# Altium PCB top_INA2180.PcbDoc (part 1 of 5) (continued)
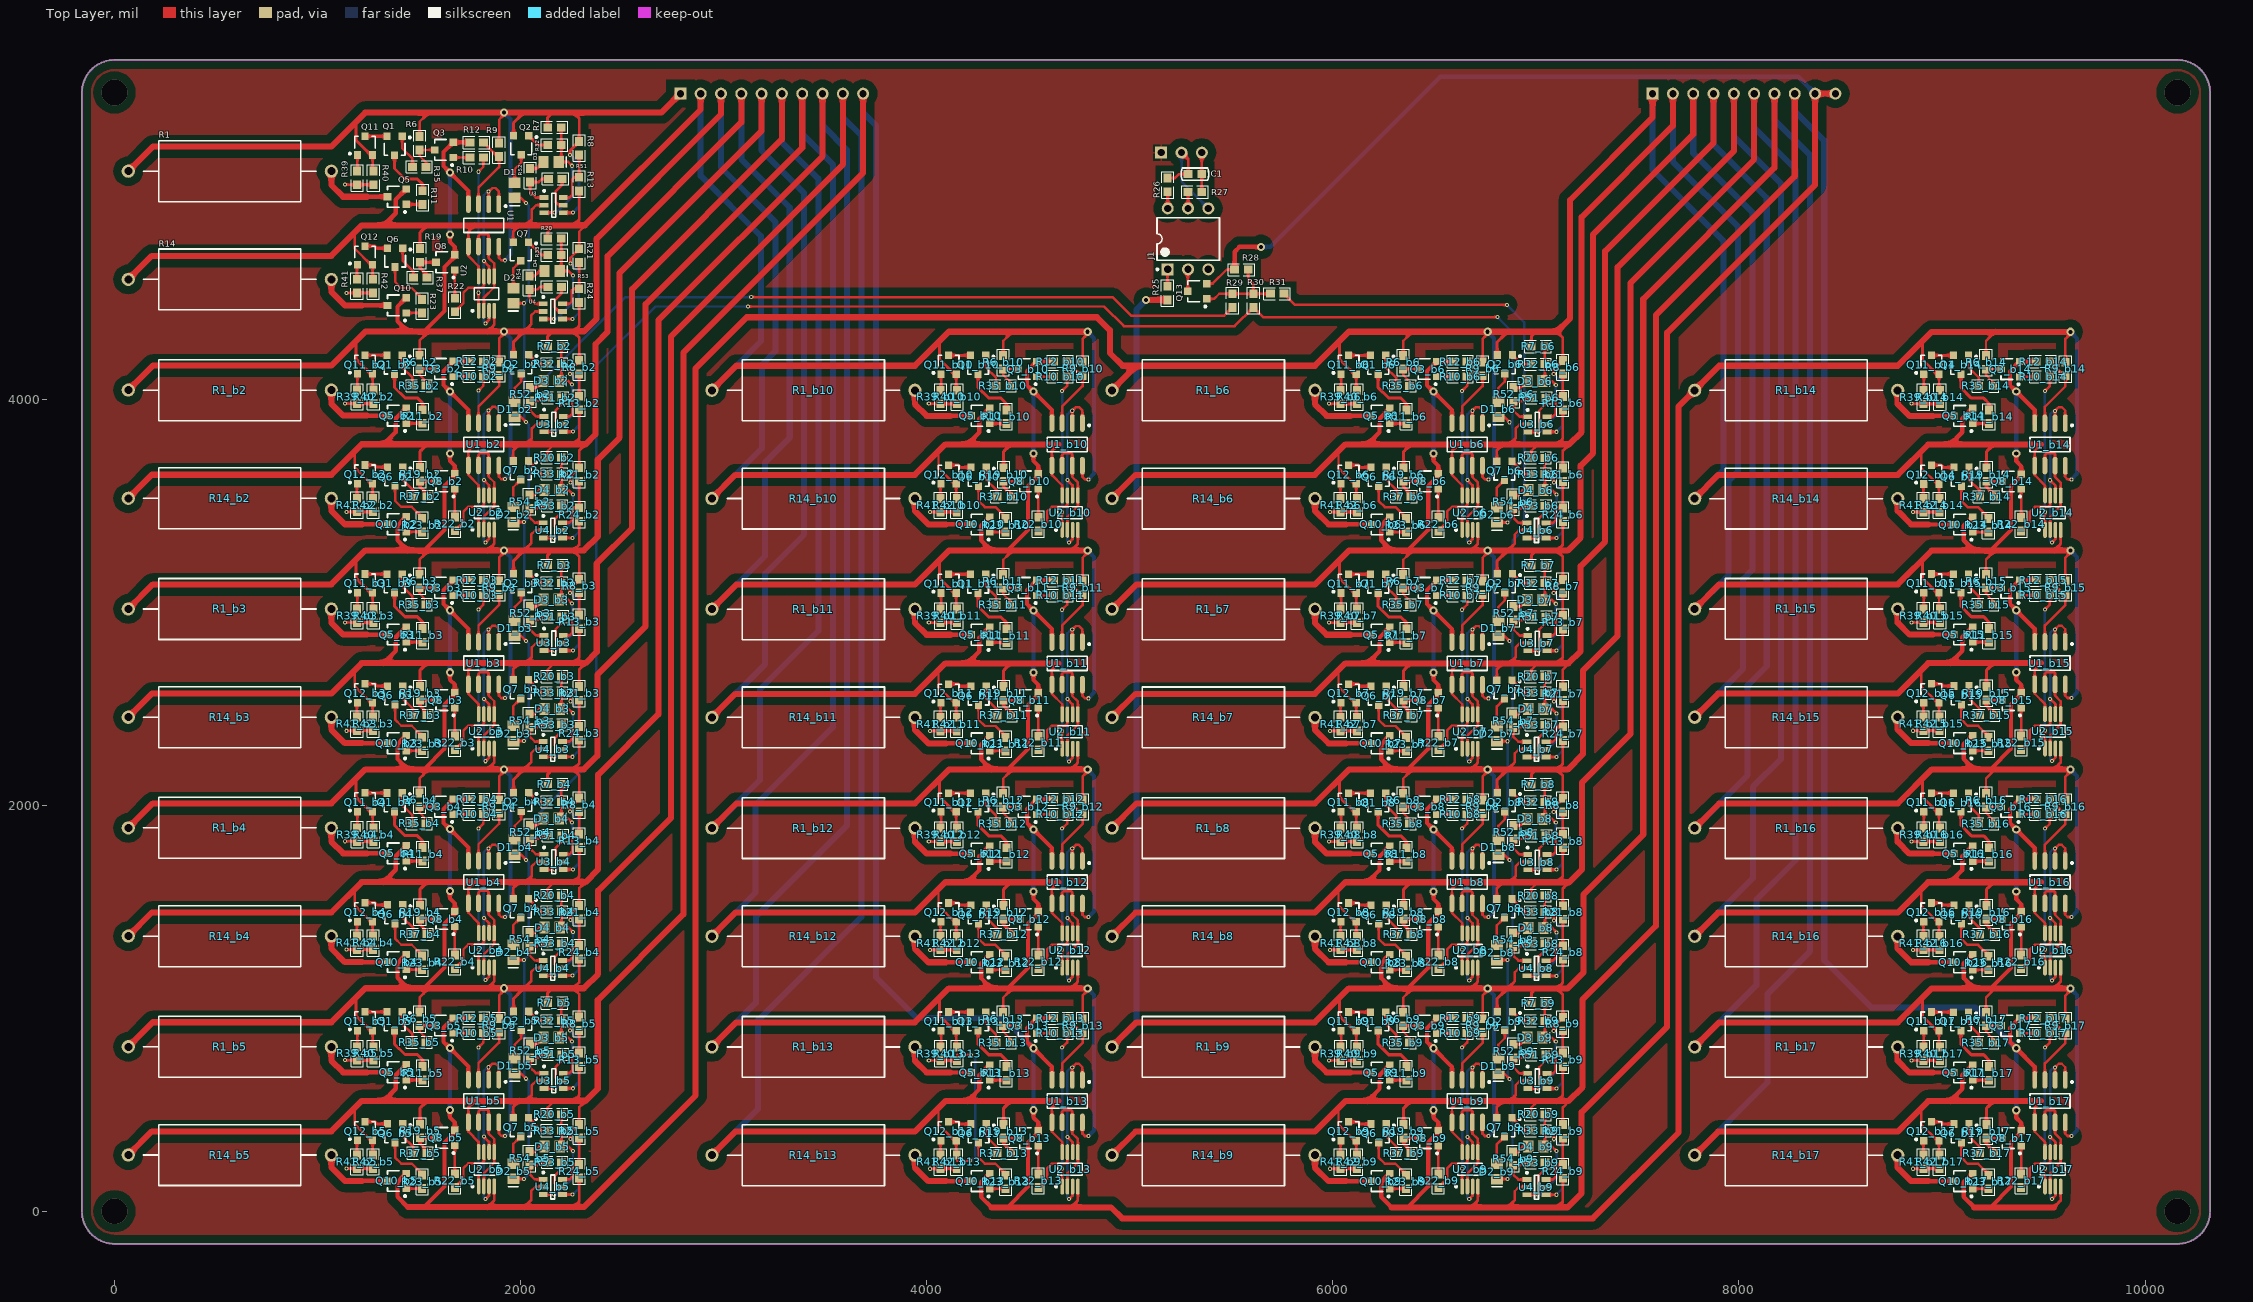
[diagram p0: Top Layer view]
## Components (designator, comment, footprint, x,y, rotation, side; value= is the part's Value field where it differs from the comment) (continued)
Q8_b3 "MMBT3904" SOT23-3 1629.87,2517.54 r90 top (schematic designator Q8)
Q8_b4 "MMBT3904" SOT23-3 1629.87,1439.54 r90 top (schematic designator Q8)
Q8_b5 "MMBT3904" SOT23-3 1629.87,361.54 r90 top (schematic designator Q8)
Q8_b6 "MMBT3904" SOT23-3 6473.86,3594.61 r90 top (schematic designator Q8)
Q8_b7 "MMBT3904" SOT23-3 6473.86,2516.61 r90 top (schematic designator Q8)
Q8_b8 "MMBT3904" SOT23-3 6473.86,1438.61 r90 top (schematic designator Q8)
Q8_b9 "MMBT3904" SOT23-3 6473.86,360.61 r90 top (schematic designator Q8)
Q8_b10 "MMBT3904" SOT23-3 4503.86,3594.61 r90 top (schematic designator Q8)
Q8_b11 "MMBT3904" SOT23-3 4503.86,2516.61 r90 top (schematic designator Q8)
Q8_b12 "MMBT3904" SOT23-3 4503.86,1438.61 r90 top (schematic designator Q8)
Q8_b13 "MMBT3904" SOT23-3 4503.86,360.61 r90 top (schematic designator Q8)
Q8_b14 "MMBT3904" SOT23-3 9343.86,3594.35 r90 top (schematic designator Q8)
Q8_b15 "MMBT3904" SOT23-3 9343.86,2517.61 r90 top (schematic designator Q8)
Q8_b16 "MMBT3904" SOT23-3 9343.86,1438.61 r90 top (schematic designator Q8)
Q8_b17 "MMBT3904" SOT23-3 9343.86,360.61 r90 top (schematic designator Q8)
Q10 "MOSFET-N" SOT23-3 1390.86,4461.61 r90 top
Q10_b2 "MOSFET-N" SOT23-3 1390.87,3383.54 r90 top (schematic designator Q10)
Q10_b3 "MOSFET-N" SOT23-3 1390.87,2305.54 r90 top (schematic designator Q10)
Q10_b4 "MOSFET-N" SOT23-3 1390.87,1227.54 r90 top (schematic designator Q10)
Q10_b5 "MOSFET-N" SOT23-3 1390.87,149.54 r90 top (schematic designator Q10)
Q10_b6 "MOSFET-N" SOT23-3 6234.86,3382.61 r90 top (schematic designator Q10)
Q10_b7 "MOSFET-N" SOT23-3 6234.86,2304.61 r90 top (schematic designator Q10)
Q10_b8 "MOSFET-N" SOT23-3 6234.86,1226.61 r90 top (schematic designator Q10)
Q10_b9 "MOSFET-N" SOT23-3 6234.86,148.61 r90 top (schematic designator Q10)
Q10_b10 "MOSFET-N" SOT23-3 4264.86,3382.61 r90 top (schematic designator Q10)
Q10_b11 "MOSFET-N" SOT23-3 4264.86,2304.61 r90 top (schematic designator Q10)
Q10_b12 "MOSFET-N" SOT23-3 4264.86,1226.61 r90 top (schematic designator Q10)
Q10_b13 "MOSFET-N" SOT23-3 4264.86,148.61 r90 top (schematic designator Q10)
Q10_b14 "MOSFET-N" SOT23-3 9104.86,3382.35 r90 top (schematic designator Q10)
Q10_b15 "MOSFET-N" SOT23-3 9104.86,2305.61 r90 top (schematic designator Q10)
Q10_b16 "MOSFET-N" SOT23-3 9104.86,1226.61 r90 top (schematic designator Q10)
Q10_b17 "MOSFET-N" SOT23-3 9104.86,148.61 r90 top (schematic designator Q10)
Q11 "MMBT3906" SOT23-3 1233.99,5248.33 r0 top
Q11_b2 "MMBT3906" SOT23-3 1234,4170.26 r0 top (schematic designator Q11)
Q11_b3 "MMBT3906" SOT23-3 1234,3092.26 r0 top (schematic designator Q11)
Q11_b4 "MMBT3906" SOT23-3 1234,2014.26 r0 top (schematic designator Q11)
Q11_b5 "MMBT3906" SOT23-3 1234,936.26 r0 top (schematic designator Q11)
Q11_b6 "MMBT3906" SOT23-3 6077.99,4169.33 r0 top (schematic designator Q11)
Q11_b7 "MMBT3906" SOT23-3 6077.99,3091.33 r0 top (schematic designator Q11)
Q11_b8 "MMBT3906" SOT23-3 6077.99,2013.33 r0 top (schematic designator Q11)
Q11_b9 "MMBT3906" SOT23-3 6077.99,935.33 r0 top (schematic designator Q11)
Q11_b10 "MMBT3906" SOT23-3 4107.99,4169.33 r0 top (schematic designator Q11)
Q11_b11 "MMBT3906" SOT23-3 4107.99,3091.33 r0 top (schematic designator Q11)
Q11_b12 "MMBT3906" SOT23-3 4107.99,2013.33 r0 top (schematic designator Q11)
Q11_b13 "MMBT3906" SOT23-3 4107.99,935.33 r0 top (schematic designator Q11)
Q11_b14 "MMBT3906" SOT23-3 8947.99,4169.07 r0 top (schematic designator Q11)
Q11_b15 "MMBT3906" SOT23-3 8947.99,3092.33 r0 top (schematic designator Q11)
Q11_b16 "MMBT3906" SOT23-3 8947.99,2013.33 r0 top (schematic designator Q11)
Q11_b17 "MMBT3906" SOT23-3 8947.99,935.33 r0 top (schematic designator Q11)
Q12 "MMBT3906" SOT23-3 1233.99,4707.33 r0 top
Q12_b2 "MMBT3906" SOT23-3 1234,3629.26 r0 top (schematic designator Q12)
Q12_b3 "MMBT3906" SOT23-3 1234,2551.26 r0 top (schematic designator Q12)
Q12_b4 "MMBT3906" SOT23-3 1234,1473.26 r0 top (schematic designator Q12)
Q12_b5 "MMBT3906" SOT23-3 1234,395.26 r0 top (schematic designator Q12)
Q12_b6 "MMBT3906" SOT23-3 6077.99,3628.33 r0 top (schematic designator Q12)
Q12_b7 "MMBT3906" SOT23-3 6077.99,2550.33 r0 top (schematic designator Q12)
Q12_b8 "MMBT3906" SOT23-3 6077.99,1472.33 r0 top (schematic designator Q12)
Q12_b9 "MMBT3906" SOT23-3 6077.99,394.33 r0 top (schematic designator Q12)
Q12_b10 "MMBT3906" SOT23-3 4107.99,3628.33 r0 top (schematic designator Q12)
Q12_b11 "MMBT3906" SOT23-3 4107.99,2550.33 r0 top (schematic designator Q12)
Q12_b12 "MMBT3906" SOT23-3 4107.99,1472.33 r0 top (schematic designator Q12)
Q12_b13 "MMBT3906" SOT23-3 4107.99,394.33 r0 top (schematic designator Q12)
Q12_b14 "MMBT3906" SOT23-3 8947.99,3628.07 r0 top (schematic designator Q12)
Q12_b15 "MMBT3906" SOT23-3 8947.99,2551.33 r0 top (schematic designator Q12)
Q12_b16 "MMBT3906" SOT23-3 8947.99,1472.33 r0 top (schematic designator Q12)
Q12_b17 "MMBT3906" SOT23-3 8947.99,394.33 r0 top (schematic designator Q12)
Q13 "NPN" SOT23-3 5331.99,4531.07 r90 top
R1 "Res1" AXIAL-1.0 567.99,5122.33 r180 top
R1_b2 "Res1" AXIAL-1.0 568,4044.26 r180 top (schematic designator R1)
R1_b3 "Res1" AXIAL-1.0 568,2966.26 r180 top (schematic designator R1)
R1_b4 "Res1" AXIAL-1.0 568,1888.26 r180 top (schematic designator R1)
R1_b5 "Res1" AXIAL-1.0 568,810.26 r180 top (schematic designator R1)
R1_b6 "Res1" AXIAL-1.0 5411.99,4043.33 r180 top (schematic designator R1)
R1_b7 "Res1" AXIAL-1.0 5411.99,2965.33 r180 top (schematic designator R1)
R1_b8 "Res1" AXIAL-1.0 5411.99,1887.33 r180 top (schematic designator R1)
R1_b9 "Res1" AXIAL-1.0 5411.99,809.33 r180 top (schematic designator R1)
R1_b10 "Res1" AXIAL-1.0 3441.99,4043.33 r180 top (schematic designator R1)
R1_b11 "Res1" AXIAL-1.0 3441.99,2965.33 r180 top (schematic designator R1)
R1_b12 "Res1" AXIAL-1.0 3441.99,1887.33 r180 top (schematic designator R1)
R1_b13 "Res1" AXIAL-1.0 3441.99,809.33 r180 top (schematic designator R1)
R1_b14 "Res1" AXIAL-1.0 8281.99,4043.07 r180 top (schematic designator R1)
R1_b15 "Res1" AXIAL-1.0 8281.99,2966.33 r180 top (schematic designator R1)
R1_b16 "Res1" AXIAL-1.0 8281.99,1887.33 r180 top (schematic designator R1)
R1_b17 "Res1" AXIAL-1.0 8281.99,809.33 r180 top (schematic designator R1)
R6 "Res1" 0603-1 1502.86,5260.07 r90 top
R6_b2 "Res1" 0603-1 1502.87,4182 r90 top (schematic designator R6)
R6_b3 "Res1" 0603-1 1502.87,3104 r90 top (schematic designator R6)
R6_b4 "Res1" 0603-1 1502.87,2026 r90 top (schematic designator R6)
R6_b5 "Res1" 0603-1 1502.87,948 r90 top (schematic designator R6)
R6_b6 "Res1" 0603-1 6346.86,4181.07 r90 top (schematic designator R6)
R6_b7 "Res1" 0603-1 6346.86,3103.07 r90 top (schematic designator R6)
R6_b8 "Res1" 0603-1 6346.86,2025.07 r90 top (schematic designator R6)
R6_b9 "Res1" 0603-1 6346.86,947.07 r90 top (schematic designator R6)
R6_b10 "Res1" 0603-1 4376.86,4181.07 r90 top (schematic designator R6)
R6_b11 "Res1" 0603-1 4376.86,3103.07 r90 top (schematic designator R6)
R6_b12 "Res1" 0603-1 4376.86,2025.07 r90 top (schematic designator R6)
R6_b13 "Res1" 0603-1 4376.86,947.07 r90 top (schematic designator R6)
R6_b14 "Res1" 0603-1 9216.86,4180.81 r90 top (schematic designator R6)
R6_b15 "Res1" 0603-1 9216.86,3104.07 r90 top (schematic designator R6)
R6_b16 "Res1" 0603-1 9216.86,2025.07 r90 top (schematic designator R6)
R6_b17 "Res1" 0603-1 9216.86,947.07 r90 top (schematic designator R6)
R7 "Res1" 0603-1 2167,5338 r180 top
R7_b2 "Res1" 0603-1 2167.01,4259.93 r180 top (schematic designator R7)
R7_b3 "Res1" 0603-1 2167.01,3181.93 r180 top (schematic designator R7)
R7_b4 "Res1" 0603-1 2167.01,2103.93 r180 top (schematic designator R7)
R7_b5 "Res1" 0603-1 2167.01,1025.93 r180 top (schematic designator R7)
R7_b6 "Res1" 0603-1 7011,4259 r180 top (schematic designator R7)
R7_b7 "Res1" 0603-1 7011,3181 r180 top (schematic designator R7)
R7_b8 "Res1" 0603-1 7011,2103 r180 top (schematic designator R7)
R7_b9 "Res1" 0603-1 7011,1025 r180 top (schematic designator R7)
R8 "Res1" 0603-1 2288.86,5235.61 r90 top
R8_b2 "Res1" 0603-1 2288.87,4157.54 r90 top (schematic designator R8)
R8_b3 "Res1" 0603-1 2288.87,3079.54 r90 top (schematic designator R8)
R8_b4 "Res1" 0603-1 2288.87,2001.54 r90 top (schematic designator R8)
R8_b5 "Res1" 0603-1 2288.87,923.54 r90 top (schematic designator R8)
R8_b6 "Res1" 0603-1 7132.86,4156.61 r90 top (schematic designator R8)
R8_b7 "Res1" 0603-1 7132.86,3078.61 r90 top (schematic designator R8)
R8_b8 "Res1" 0603-1 7132.86,2000.61 r90 top (schematic designator R8)
R8_b9 "Res1" 0603-1 7132.86,922.61 r90 top (schematic designator R8)
R9 "Res1" 0603-1 1893.86,5227.61 r90 top
R9_b2 "Res1" 0603-1 1893.87,4149.54 r90 top (schematic designator R9)
R9_b3 "Res1" 0603-1 1893.87,3071.54 r90 top (schematic designator R9)
R9_b4 "Res1" 0603-1 1893.87,1993.54 r90 top (schematic designator R9)
R9_b5 "Res1" 0603-1 1893.87,915.54 r90 top (schematic designator R9)
R9_b6 "Res1" 0603-1 6737.86,4148.61 r90 top (schematic designator R9)
R9_b7 "Res1" 0603-1 6737.86,3070.61 r90 top (schematic designator R9)
R9_b8 "Res1" 0603-1 6737.86,1992.61 r90 top (schematic designator R9)
R9_b9 "Res1" 0603-1 6737.86,914.61 r90 top (schematic designator R9)
R9_b10 "Res1" 0603-1 4767.86,4148.61 r90 top (schematic designator R9)
R9_b11 "Res1" 0603-1 4767.86,3070.61 r90 top (schematic designator R9)
R9_b12 "Res1" 0603-1 4767.86,1992.61 r90 top (schematic designator R9)
R9_b13 "Res1" 0603-1 4767.86,914.61 r90 top (schematic designator R9)
R9_b14 "Res1" 0603-1 9607.86,4148.35 r90 top (schematic designator R9)
R9_b15 "Res1" 0603-1 9607.86,3071.61 r90 top (schematic designator R9)
R9_b16 "Res1" 0603-1 9607.86,1992.61 r90 top (schematic designator R9)
R9_b17 "Res1" 0603-1 9607.86,914.61 r90 top (schematic designator R9)
R10 "Res1" 0603-1 1783.72,5190.01 r0 top
R10_b2 "Res1" 0603-1 1783.73,4111.94 r0 top (schematic designator R10)
R10_b3 "Res1" 0603-1 1783.73,3033.94 r0 top (schematic designator R10)
R10_b4 "Res1" 0603-1 1783.73,1955.94 r0 top (schematic designator R10)
R10_b5 "Res1" 0603-1 1783.73,877.94 r0 top (schematic designator R10)
R10_b6 "Res1" 0603-1 6627.72,4111.01 r0 top (schematic designator R10)
R10_b7 "Res1" 0603-1 6627.72,3033.01 r0 top (schematic designator R10)
R10_b8 "Res1" 0603-1 6627.72,1955.01 r0 top (schematic designator R10)
R10_b9 "Res1" 0603-1 6627.72,877.01 r0 top (schematic designator R10)
R10_b10 "Res1" 0603-1 4657.72,4111.01 r0 top (schematic designator R10)
R10_b11 "Res1" 0603-1 4657.72,3033.01 r0 top (schematic designator R10)
R10_b12 "Res1" 0603-1 4657.72,1955.01 r0 top (schematic designator R10)
R10_b13 "Res1" 0603-1 4657.72,877.01 r0 top (schematic designator R10)
R10_b14 "Res1" 0603-1 9497.72,4110.75 r0 top (schematic designator R10)
R10_b15 "Res1" 0603-1 9497.72,3034.01 r0 top (schematic designator R10)
R10_b16 "Res1" 0603-1 9497.72,1955.01 r0 top (schematic designator R10)
R10_b17 "Res1" 0603-1 9497.72,877.01 r0 top (schematic designator R10)
R11 "Res1" 0603-1 1517.99,4992.33 r90 top
R11_b2 "Res1" 0603-1 1518,3914.26 r90 top (schematic designator R11)
R11_b3 "Res1" 0603-1 1518,2836.26 r90 top (schematic designator R11)
R11_b4 "Res1" 0603-1 1518,1758.26 r90 top (schematic designator R11)
R11_b5 "Res1" 0603-1 1518,680.26 r90 top (schematic designator R11)
R11_b6 "Res1" 0603-1 6361.99,3913.33 r90 top (schematic designator R11)
R11_b7 "Res1" 0603-1 6361.99,2835.33 r90 top (schematic designator R11)
R11_b8 "Res1" 0603-1 6361.99,1757.33 r90 top (schematic designator R11)
R11_b9 "Res1" 0603-1 6361.99,679.33 r90 top (schematic designator R11)
R11_b10 "Res1" 0603-1 4391.99,3913.33 r90 top (schematic designator R11)
R11_b11 "Res1" 0603-1 4391.99,2835.33 r90 top (schematic designator R11)
R11_b12 "Res1" 0603-1 4391.99,1757.33 r90 top (schematic designator R11)
R11_b13 "Res1" 0603-1 4391.99,679.33 r90 top (schematic designator R11)
R11_b14 "Res1" 0603-1 9231.99,3913.07 r90 top (schematic designator R11)
R11_b15 "Res1" 0603-1 9231.99,2836.33 r90 top (schematic designator R11)
R11_b16 "Res1" 0603-1 9231.99,1757.33 r90 top (schematic designator R11)
R11_b17 "Res1" 0603-1 9231.99,679.33 r90 top (schematic designator R11)
R12 "Res1" 0603-1 1783.72,5264.01 r0 top
R12_b2 "Res1" 0603-1 1783.73,4185.94 r0 top (schematic designator R12)
R12_b3 "Res1" 0603-1 1783.73,3107.94 r0 top (schematic designator R12)
R12_b4 "Res1" 0603-1 1783.73,2029.94 r0 top (schematic designator R12)
R12_b5 "Res1" 0603-1 1783.73,951.94 r0 top (schematic designator R12)
R12_b6 "Res1" 0603-1 6627.72,4185.01 r0 top (schematic designator R12)
R12_b7 "Res1" 0603-1 6627.72,3107.01 r0 top (schematic designator R12)
R12_b8 "Res1" 0603-1 6627.72,2029.01 r0 top (schematic designator R12)
R12_b9 "Res1" 0603-1 6627.72,951.01 r0 top (schematic designator R12)
R12_b10 "Res1" 0603-1 4657.72,4185.01 r0 top (schematic designator R12)
R12_b11 "Res1" 0603-1 4657.72,3107.01 r0 top (schematic designator R12)
R12_b12 "Res1" 0603-1 4657.72,2029.01 r0 top (schematic designator R12)
R12_b13 "Res1" 0603-1 4657.72,951.01 r0 top (schematic designator R12)
R12_b14 "Res1" 0603-1 9497.72,4184.75 r0 top (schematic designator R12)
R12_b15 "Res1" 0603-1 9497.72,3108.01 r0 top (schematic designator R12)
R12_b16 "Res1" 0603-1 9497.72,2029.01 r0 top (schematic designator R12)
R12_b17 "Res1" 0603-1 9497.72,951.01 r0 top (schematic designator R12)
R13 "Res1" 0603-1 2288.86,5058.61 r90 top
R13_b2 "Res1" 0603-1 2288.87,3980.54 r90 top (schematic designator R13)
R13_b3 "Res1" 0603-1 2288.87,2902.54 r90 top (schematic designator R13)
R13_b4 "Res1" 0603-1 2288.87,1824.54 r90 top (schematic designator R13)
R13_b5 "Res1" 0603-1 2288.87,746.54 r90 top (schematic designator R13)
R13_b6 "Res1" 0603-1 7132.86,3979.61 r90 top (schematic designator R13)
R13_b7 "Res1" 0603-1 7132.86,2901.61 r90 top (schematic designator R13)
R13_b8 "Res1" 0603-1 7132.86,1823.61 r90 top (schematic designator R13)
R13_b9 "Res1" 0603-1 7132.86,745.61 r90 top (schematic designator R13)
R14 "Res1" AXIAL-1.0 567.99,4589.33 r180 top
R14_b2 "Res1" AXIAL-1.0 568,3511.26 r180 top (schematic designator R14)
R14_b3 "Res1" AXIAL-1.0 568,2433.26 r180 top (schematic designator R14)
R14_b4 "Res1" AXIAL-1.0 568,1355.26 r180 top (schematic designator R14)
R14_b5 "Res1" AXIAL-1.0 568,277.26 r180 top (schematic designator R14)
R14_b6 "Res1" AXIAL-1.0 5411.99,3510.33 r180 top (schematic designator R14)
R14_b7 "Res1" AXIAL-1.0 5411.99,2432.33 r180 top (schematic designator R14)
R14_b8 "Res1" AXIAL-1.0 5411.99,1354.33 r180 top (schematic designator R14)
R14_b9 "Res1" AXIAL-1.0 5411.99,276.33 r180 top (schematic designator R14)
R14_b10 "Res1" AXIAL-1.0 3441.99,3510.33 r180 top (schematic designator R14)
R14_b11 "Res1" AXIAL-1.0 3441.99,2432.33 r180 top (schematic designator R14)
R14_b12 "Res1" AXIAL-1.0 3441.99,1354.33 r180 top (schematic designator R14)
R14_b13 "Res1" AXIAL-1.0 3441.99,276.33 r180 top (schematic designator R14)
R14_b14 "Res1" AXIAL-1.0 8281.99,3510.07 r180 top (schematic designator R14)
R14_b15 "Res1" AXIAL-1.0 8281.99,2433.33 r180 top (schematic designator R14)
R14_b16 "Res1" AXIAL-1.0 8281.99,1354.33 r180 top (schematic designator R14)
R14_b17 "Res1" AXIAL-1.0 8281.99,276.33 r180 top (schematic designator R14)
R19 "Res1" 0603-1 1504.86,4707.61 r90 top
R19_b2 "Res1" 0603-1 1504.87,3629.54 r90 top (schematic designator R19)
R19_b3 "Res1" 0603-1 1504.87,2551.54 r90 top (schematic designator R19)
R19_b4 "Res1" 0603-1 1504.87,1473.54 r90 top (schematic designator R19)
R19_b5 "Res1" 0603-1 1504.87,395.54 r90 top (schematic designator R19)
R19_b6 "Res1" 0603-1 6348.86,3628.61 r90 top (schematic designator R19)
R19_b7 "Res1" 0603-1 6348.86,2550.61 r90 top (schematic designator R19)
R19_b8 "Res1" 0603-1 6348.86,1472.61 r90 top (schematic designator R19)
R19_b9 "Res1" 0603-1 6348.86,394.61 r90 top (schematic designator R19)
R19_b10 "Res1" 0603-1 4378.86,3628.61 r90 top (schematic designator R19)
R19_b11 "Res1" 0603-1 4378.86,2550.61 r90 top (schematic designator R19)
R19_b12 "Res1" 0603-1 4378.86,1472.61 r90 top (schematic designator R19)
R19_b13 "Res1" 0603-1 4378.86,394.61 r90 top (schematic designator R19)
R19_b14 "Res1" 0603-1 9218.86,3628.35 r90 top (schematic designator R19)
R19_b15 "Res1" 0603-1 9218.86,2551.61 r90 top (schematic designator R19)
R19_b16 "Res1" 0603-1 9218.86,1472.61 r90 top (schematic designator R19)
R19_b17 "Res1" 0603-1 9218.86,394.61 r90 top (schematic designator R19)
R20 "Res1" 0603-1 2167,4790 r180 top
R20_b2 "Res1" 0603-1 2167.01,3711.93 r180 top (schematic designator R20)
R20_b3 "Res1" 0603-1 2167.01,2633.93 r180 top (schematic designator R20)
R20_b4 "Res1" 0603-1 2167.01,1555.93 r180 top (schematic designator R20)
R20_b5 "Res1" 0603-1 2167.01,477.93 r180 top (schematic designator R20)
R20_b6 "Res1" 0603-1 7011,3711 r180 top (schematic designator R20)
R20_b7 "Res1" 0603-1 7011,2633 r180 top (schematic designator R20)
R20_b8 "Res1" 0603-1 7011,1555 r180 top (schematic designator R20)
R20_b9 "Res1" 0603-1 7011,477 r180 top (schematic designator R20)
R21 "Res1" 0603-1 2288.86,4706.61 r90 top
R21_b2 "Res1" 0603-1 2288.87,3628.54 r90 top (schematic designator R21)
R21_b3 "Res1" 0603-1 2288.87,2550.54 r90 top (schematic designator R21)
R21_b4 "Res1" 0603-1 2288.87,1472.54 r90 top (schematic designator R21)
R21_b5 "Res1" 0603-1 2288.87,394.54 r90 top (schematic designator R21)
R21_b6 "Res1" 0603-1 7132.86,3627.61 r90 top (schematic designator R21)
R21_b7 "Res1" 0603-1 7132.86,2549.61 r90 top (schematic designator R21)
R21_b8 "Res1" 0603-1 7132.86,1471.61 r90 top (schematic designator R21)
R21_b9 "Res1" 0603-1 7132.86,393.61 r90 top (schematic designator R21)
R22 "Res1" 0603-1 1675.99,4463.33 r90 top
R22_b2 "Res1" 0603-1 1676,3385.26 r90 top (schematic designator R22)
R22_b3 "Res1" 0603-1 1676,2307.26 r90 top (schematic designator R22)
R22_b4 "Res1" 0603-1 1676,1229.26 r90 top (schematic designator R22)
R22_b5 "Res1" 0603-1 1676,151.26 r90 top (schematic designator R22)
R22_b6 "Res1" 0603-1 6519.99,3384.33 r90 top (schematic designator R22)
R22_b7 "Res1" 0603-1 6519.99,2306.33 r90 top (schematic designator R22)
R22_b8 "Res1" 0603-1 6519.99,1228.33 r90 top (schematic designator R22)
R22_b9 "Res1" 0603-1 6519.99,150.33 r90 top (schematic designator R22)
R22_b10 "Res1" 0603-1 4549.99,3384.33 r90 top (schematic designator R22)
R22_b11 "Res1" 0603-1 4549.99,2306.33 r90 top (schematic designator R22)
R22_b12 "Res1" 0603-1 4549.99,1228.33 r90 top (schematic designator R22)
R22_b13 "Res1" 0603-1 4549.99,150.33 r90 top (schematic designator R22)
R22_b14 "Res1" 0603-1 9389.99,3384.07 r90 top (schematic designator R22)
R22_b15 "Res1" 0603-1 9389.99,2307.33 r90 top (schematic designator R22)
R22_b16 "Res1" 0603-1 9389.99,1228.33 r90 top (schematic designator R22)
R22_b17 "Res1" 0603-1 9389.99,150.33 r90 top (schematic designator R22)
R23 "Res1" 0603-1 1515.24,4457.61 r90 top
R23_b2 "Res1" 0603-1 1515.25,3379.54 r90 top (schematic designator R23)
R23_b3 "Res1" 0603-1 1515.25,2301.54 r90 top (schematic designator R23)
R23_b4 "Res1" 0603-1 1515.25,1223.54 r90 top (schematic designator R23)
R23_b5 "Res1" 0603-1 1515.25,145.54 r90 top (schematic designator R23)
R23_b6 "Res1" 0603-1 6359.24,3378.61 r90 top (schematic designator R23)
R23_b7 "Res1" 0603-1 6359.24,2300.61 r90 top (schematic designator R23)
R23_b8 "Res1" 0603-1 6359.24,1222.61 r90 top (schematic designator R23)
R23_b9 "Res1" 0603-1 6359.24,144.61 r90 top (schematic designator R23)
R23_b10 "Res1" 0603-1 4389.24,3378.61 r90 top (schematic designator R23)
R23_b11 "Res1" 0603-1 4389.24,2300.61 r90 top (schematic designator R23)
R23_b12 "Res1" 0603-1 4389.24,1222.61 r90 top (schematic designator R23)
R23_b13 "Res1" 0603-1 4389.24,144.61 r90 top (schematic designator R23)
R23_b14 "Res1" 0603-1 9229.24,3378.35 r90 top (schematic designator R23)
R23_b15 "Res1" 0603-1 9229.24,2301.61 r90 top (schematic designator R23)
R23_b16 "Res1" 0603-1 9229.24,1222.61 r90 top (schematic designator R23)
R23_b17 "Res1" 0603-1 9229.24,144.61 r90 top (schematic designator R23)
R24 "Res1" 0603-1 2288.86,4509.61 r90 top
R24_b2 "Res1" 0603-1 2288.87,3431.54 r90 top (schematic designator R24)
R24_b3 "Res1" 0603-1 2288.87,2353.54 r90 top (schematic designator R24)
R24_b4 "Res1" 0603-1 2288.87,1275.54 r90 top (schematic designator R24)
R24_b5 "Res1" 0603-1 2288.87,197.54 r90 top (schematic designator R24)
R24_b6 "Res1" 0603-1 7132.86,3430.61 r90 top (schematic designator R24)
R24_b7 "Res1" 0603-1 7132.86,2352.61 r90 top (schematic designator R24)
R24_b8 "Res1" 0603-1 7132.86,1274.61 r90 top (schematic designator R24)
R24_b9 "Res1" 0603-1 7132.86,196.61 r90 top (schematic designator R24)
R25 "Res1" 0603-1 5185.99,4522.07 r90 top
R26 "Res1" 0603-1 5187,5055 r90 top
R27 "Res1" 0603-1 5321,5020 r0 top
R28 "Res1" 0603-1 5549.99,4637.07 r0 top
R29 "Res1" 0603-1 5505.99,4485.07 r90 top
R30 "Res1" 0603-1 5608.99,4485.07 r90 top
R31 "Res1" 0603-1 5726,4519 r180 top
R32 "Res1" 0603-1 2167,5251 r180 top
R32_b2 "Res1" 0603-1 2167.01,4172.93 r180 top (schematic designator R32)
R32_b3 "Res1" 0603-1 2167.01,3094.93 r180 top (schematic designator R32)
R32_b4 "Res1" 0603-1 2167.01,2016.93 r180 top (schematic designator R32)
R32_b5 "Res1" 0603-1 2167.01,938.93 r180 top (schematic designator R32)
R32_b6 "Res1" 0603-1 7011,4172 r180 top (schematic designator R32)
R32_b7 "Res1" 0603-1 7011,3094 r180 top (schematic designator R32)
R32_b8 "Res1" 0603-1 7011,2016 r180 top (schematic designator R32)
R32_b9 "Res1" 0603-1 7011,938 r180 top (schematic designator R32)
R33 "Res1" 0603-1 2167,4710 r180 top
R33_b2 "Res1" 0603-1 2167.01,3631.93 r180 top (schematic designator R33)
R33_b3 "Res1" 0603-1 2167.01,2553.93 r180 top (schematic designator R33)
R33_b4 "Res1" 0603-1 2167.01,1475.93 r180 top (schematic designator R33)
R33_b5 "Res1" 0603-1 2167.01,397.93 r180 top (schematic designator R33)
R33_b6 "Res1" 0603-1 7011,3631 r180 top (schematic designator R33)
R33_b7 "Res1" 0603-1 7011,2553 r180 top (schematic designator R33)
R33_b8 "Res1" 0603-1 7011,1475 r180 top (schematic designator R33)
R33_b9 "Res1" 0603-1 7011,397 r180 top (schematic designator R33)
R35 "Res1" 0603-1 1500.86,5144.07 r180 top
R35_b2 "Res1" 0603-1 1500.87,4066 r180 top (schematic designator R35)
R35_b3 "Res1" 0603-1 1500.87,2988 r180 top (schematic designator R35)
R35_b4 "Res1" 0603-1 1500.87,1910 r180 top (schematic designator R35)
R35_b5 "Res1" 0603-1 1500.87,832 r180 top (schematic designator R35)
R35_b6 "Res1" 0603-1 6344.86,4065.07 r180 top (schematic designator R35)
R35_b7 "Res1" 0603-1 6344.86,2987.07 r180 top (schematic designator R35)
R35_b8 "Res1" 0603-1 6344.86,1909.07 r180 top (schematic designator R35)
R35_b9 "Res1" 0603-1 6344.86,831.07 r180 top (schematic designator R35)
R35_b10 "Res1" 0603-1 4374.86,4065.07 r180 top (schematic designator R35)
R35_b11 "Res1" 0603-1 4374.86,2987.07 r180 top (schematic designator R35)
R35_b12 "Res1" 0603-1 4374.86,1909.07 r180 top (schematic designator R35)
R35_b13 "Res1" 0603-1 4374.86,831.07 r180 top (schematic designator R35)
R35_b14 "Res1" 0603-1 9214.86,4064.81 r180 top (schematic designator R35)
R35_b15 "Res1" 0603-1 9214.86,2988.07 r180 top (schematic designator R35)
R35_b16 "Res1" 0603-1 9214.86,1909.07 r180 top (schematic designator R35)
R35_b17 "Res1" 0603-1 9214.86,831.07 r180 top (schematic designator R35)
R37 "Res1" 0603-1 1505.86,4599.07 r180 top
R37_b2 "Res1" 0603-1 1505.87,3521 r180 top (schematic designator R37)
R37_b3 "Res1" 0603-1 1505.87,2443 r180 top (schematic designator R37)
R37_b4 "Res1" 0603-1 1505.87,1365 r180 top (schematic designator R37)
R37_b5 "Res1" 0603-1 1505.87,287 r180 top (schematic designator R37)
R37_b6 "Res1" 0603-1 6349.86,3520.07 r180 top (schematic designator R37)
R37_b7 "Res1" 0603-1 6349.86,2442.07 r180 top (schematic designator R37)
R37_b8 "Res1" 0603-1 6349.86,1364.07 r180 top (schematic designator R37)
R37_b9 "Res1" 0603-1 6349.86,286.07 r180 top (schematic designator R37)
R37_b10 "Res1" 0603-1 4379.86,3520.07 r180 top (schematic designator R37)
R37_b11 "Res1" 0603-1 4379.86,2442.07 r180 top (schematic designator R37)
R37_b12 "Res1" 0603-1 4379.86,1364.07 r180 top (schematic designator R37)
R37_b13 "Res1" 0603-1 4379.86,286.07 r180 top (schematic designator R37)
R37_b14 "Res1" 0603-1 9219.86,3519.81 r180 top (schematic designator R37)
R37_b15 "Res1" 0603-1 9219.86,2443.07 r180 top (schematic designator R37)
R37_b16 "Res1" 0603-1 9219.86,1364.07 r180 top (schematic designator R37)
R37_b17 "Res1" 0603-1 9219.86,286.07 r180 top (schematic designator R37)
R39 "Res1" 0603-1 1194.99,5089.33 r90 top
R39_b2 "Res1" 0603-1 1195,4011.26 r90 top (schematic designator R39)
R39_b3 "Res1" 0603-1 1195,2933.26 r90 top (schematic designator R39)
R39_b4 "Res1" 0603-1 1195,1855.26 r90 top (schematic designator R39)
R39_b5 "Res1" 0603-1 1195,777.26 r90 top (schematic designator R39)
R39_b6 "Res1" 0603-1 6038.99,4010.33 r90 top (schematic designator R39)
R39_b7 "Res1" 0603-1 6038.99,2932.33 r90 top (schematic designator R39)
R39_b8 "Res1" 0603-1 6038.99,1854.33 r90 top (schematic designator R39)
R39_b9 "Res1" 0603-1 6038.99,776.33 r90 top (schematic designator R39)
R39_b10 "Res1" 0603-1 4068.99,4010.33 r90 top (schematic designator R39)
R39_b11 "Res1" 0603-1 4068.99,2932.33 r90 top (schematic designator R39)
R39_b12 "Res1" 0603-1 4068.99,1854.33 r90 top (schematic designator R39)
R39_b13 "Res1" 0603-1 4068.99,776.33 r90 top (schematic designator R39)
R39_b14 "Res1" 0603-1 8908.99,4010.07 r90 top (schematic designator R39)
R39_b15 "Res1" 0603-1 8908.99,2933.33 r90 top (schematic designator R39)
R39_b16 "Res1" 0603-1 8908.99,1854.33 r90 top (schematic designator R39)
R39_b17 "Res1" 0603-1 8908.99,776.33 r90 top (schematic designator R39)
R40 "Res1" 0603-1 1275.99,5089.33 r270 top
R40_b2 "Res1" 0603-1 1276,4011.26 r270 top (schematic designator R40)
R40_b3 "Res1" 0603-1 1276,2933.26 r270 top (schematic designator R40)
R40_b4 "Res1" 0603-1 1276,1855.26 r270 top (schematic designator R40)
R40_b5 "Res1" 0603-1 1276,777.26 r270 top (schematic designator R40)
R40_b6 "Res1" 0603-1 6119.99,4010.33 r270 top (schematic designator R40)
R40_b7 "Res1" 0603-1 6119.99,2932.33 r270 top (schematic designator R40)
R40_b8 "Res1" 0603-1 6119.99,1854.33 r270 top (schematic designator R40)
R40_b9 "Res1" 0603-1 6119.99,776.33 r270 top (schematic designator R40)
R40_b10 "Res1" 0603-1 4149.99,4010.33 r270 top (schematic designator R40)
R40_b11 "Res1" 0603-1 4149.99,2932.33 r270 top (schematic designator R40)
R40_b12 "Res1" 0603-1 4149.99,1854.33 r270 top (schematic designator R40)
R40_b13 "Res1" 0603-1 4149.99,776.33 r270 top (schematic designator R40)
R40_b14 "Res1" 0603-1 8989.99,4010.07 r270 top (schematic designator R40)
R40_b15 "Res1" 0603-1 8989.99,2933.33 r270 top (schematic designator R40)
R40_b16 "Res1" 0603-1 8989.99,1854.33 r270 top (schematic designator R40)
R40_b17 "Res1" 0603-1 8989.99,776.33 r270 top (schematic designator R40)
R41 "Res1" 0603-1 1193.99,4556.33 r270 top
R41_b2 "Res1" 0603-1 1194,3478.26 r270 top (schematic designator R41)
R41_b3 "Res1" 0603-1 1194,2400.26 r270 top (schematic designator R41)
R41_b4 "Res1" 0603-1 1194,1322.26 r270 top (schematic designator R41)
R41_b5 "Res1" 0603-1 1194,244.26 r270 top (schematic designator R41)
R41_b6 "Res1" 0603-1 6037.99,3477.33 r270 top (schematic designator R41)
R41_b7 "Res1" 0603-1 6037.99,2399.33 r270 top (schematic designator R41)
R41_b8 "Res1" 0603-1 6037.99,1321.33 r270 top (schematic designator R41)
R41_b9 "Res1" 0603-1 6037.99,243.33 r270 top (schematic designator R41)
R41_b10 "Res1" 0603-1 4067.99,3477.33 r270 top (schematic designator R41)
R41_b11 "Res1" 0603-1 4067.99,2399.33 r270 top (schematic designator R41)
R41_b12 "Res1" 0603-1 4067.99,1321.33 r270 top (schematic designator R41)
R41_b13 "Res1" 0603-1 4067.99,243.33 r270 top (schematic designator R41)
R41_b14 "Res1" 0603-1 8907.99,3477.07 r270 top (schematic designator R41)
R41_b15 "Res1" 0603-1 8907.99,2400.33 r270 top (schematic designator R41)
R41_b16 "Res1" 0603-1 8907.99,1321.33 r270 top (schematic designator R41)
R41_b17 "Res1" 0603-1 8907.99,243.33 r270 top (schematic designator R41)
R42 "Res1" 0603-1 1273.99,4556.33 r270 top
R42_b2 "Res1" 0603-1 1274,3478.26 r270 top (schematic designator R42)
R42_b3 "Res1" 0603-1 1274,2400.26 r270 top (schematic designator R42)
R42_b4 "Res1" 0603-1 1274,1322.26 r270 top (schematic designator R42)
R42_b5 "Res1" 0603-1 1274,244.26 r270 top (schematic designator R42)
R42_b6 "Res1" 0603-1 6117.99,3477.33 r270 top (schematic designator R42)
R42_b7 "Res1" 0603-1 6117.99,2399.33 r270 top (schematic designator R42)
R42_b8 "Res1" 0603-1 6117.99,1321.33 r270 top (schematic designator R42)
R42_b9 "Res1" 0603-1 6117.99,243.33 r270 top (schematic designator R42)
R42_b10 "Res1" 0603-1 4147.99,3477.33 r270 top (schematic designator R42)
R42_b11 "Res1" 0603-1 4147.99,2399.33 r270 top (schematic designator R42)
R42_b12 "Res1" 0603-1 4147.99,1321.33 r270 top (schematic designator R42)
R42_b13 "Res1" 0603-1 4147.99,243.33 r270 top (schematic designator R42)
R42_b14 "Res1" 0603-1 8987.99,3477.07 r270 top (schematic designator R42)
R42_b15 "Res1" 0603-1 8987.99,2400.33 r270 top (schematic designator R42)
R42_b16 "Res1" 0603-1 8987.99,1321.33 r270 top (schematic designator R42)
R42_b17 "Res1" 0603-1 8987.99,243.33 r270 top (schematic designator R42)
R51 "Res1" 0603-1 2171,5085 r180 top
R51_b2 "Res1" 0603-1 2171.01,4006.93 r180 top (schematic designator R51)
R51_b3 "Res1" 0603-1 2171.01,2928.93 r180 top (schematic designator R51)
R51_b4 "Res1" 0603-1 2171.01,1850.93 r180 top (schematic designator R51)
R51_b5 "Res1" 0603-1 2171.01,772.93 r180 top (schematic designator R51)
R51_b6 "Res1" 0603-1 7015,4006 r180 top (schematic designator R51)
R51_b7 "Res1" 0603-1 7015,2928 r180 top (schematic designator R51)
R51_b8 "Res1" 0603-1 7015,1850 r180 top (schematic designator R51)
R51_b9 "Res1" 0603-1 7015,772 r180 top (schematic designator R51)
R52 "Res1" 0603-1 2047,5102 r90 top
R52_b2 "Res1" 0603-1 2047.01,4023.93 r90 top (schematic designator R52)
R52_b3 "Res1" 0603-1 2047.01,2945.93 r90 top (schematic designator R52)
R52_b4 "Res1" 0603-1 2047.01,1867.93 r90 top (schematic designator R52)
R52_b5 "Res1" 0603-1 2047.01,789.93 r90 top (schematic designator R52)
R52_b6 "Res1" 0603-1 6891,4023 r90 top (schematic designator R52)
R52_b7 "Res1" 0603-1 6891,2945 r90 top (schematic designator R52)
R52_b8 "Res1" 0603-1 6891,1867 r90 top (schematic designator R52)
R52_b9 "Res1" 0603-1 6891,789 r90 top (schematic designator R52)
R53 "Res1" 0603-1 2168,4553 r0 top
R53_b2 "Res1" 0603-1 2168.01,3474.93 r0 top (schematic designator R53)
R53_b3 "Res1" 0603-1 2168.01,2396.93 r0 top (schematic designator R53)
R53_b4 "Res1" 0603-1 2168.01,1318.93 r0 top (schematic designator R53)
R53_b5 "Res1" 0603-1 2168.01,240.93 r0 top (schematic designator R53)
R53_b6 "Res1" 0603-1 7012,3474 r0 top (schematic designator R53)
R53_b7 "Res1" 0603-1 7012,2396 r0 top (schematic designator R53)
R53_b8 "Res1" 0603-1 7012,1318 r0 top (schematic designator R53)
R53_b9 "Res1" 0603-1 7012,240 r0 top (schematic designator R53)
R54 "Res1" 0603-1 2044,4573 r90 top
R54_b2 "Res1" 0603-1 2044.01,3494.93 r90 top (schematic designator R54)
R54_b3 "Res1" 0603-1 2044.01,2416.93 r90 top (schematic designator R54)
R54_b4 "Res1" 0603-1 2044.01,1338.93 r90 top (schematic designator R54)
R54_b5 "Res1" 0603-1 2044.01,260.93 r90 top (schematic designator R54)
R54_b6 "Res1" 0603-1 6888,3494 r90 top (schematic designator R54)
R54_b7 "Res1" 0603-1 6888,2416 r90 top (schematic designator R54)
R54_b8 "Res1" 0603-1 6888,1338 r90 top (schematic designator R54)
R54_b9 "Res1" 0603-1 6888,260 r90 top (schematic designator R54)
U1 "LM358" SOIC-8 1817.86,4855.61 r270 top
U1_b2 "LM358" SOIC-8 1817.87,3777.54 r270 top (schematic designator U1)
U1_b3 "LM358" SOIC-8 1817.87,2699.54 r270 top (schematic designator U1)
U1_b4 "LM358" SOIC-8 1817.87,1621.54 r270 top (schematic designator U1)
U1_b5 "LM358" SOIC-8 1817.87,543.54 r270 top (schematic designator U1)
U1_b6 "LM358" SOIC-8 6661.86,3776.61 r270 top (schematic designator U1)
U1_b7 "LM358" SOIC-8 6661.86,2698.61 r270 top (schematic designator U1)
U1_b8 "LM358" SOIC-8 6661.86,1620.61 r270 top (schematic designator U1)
U1_b9 "LM358" SOIC-8 6661.86,542.61 r270 top (schematic designator U1)